# KiCad board [DFR1142]Lite Carrier for LattePanda Mu.kicad_pcb (continued)
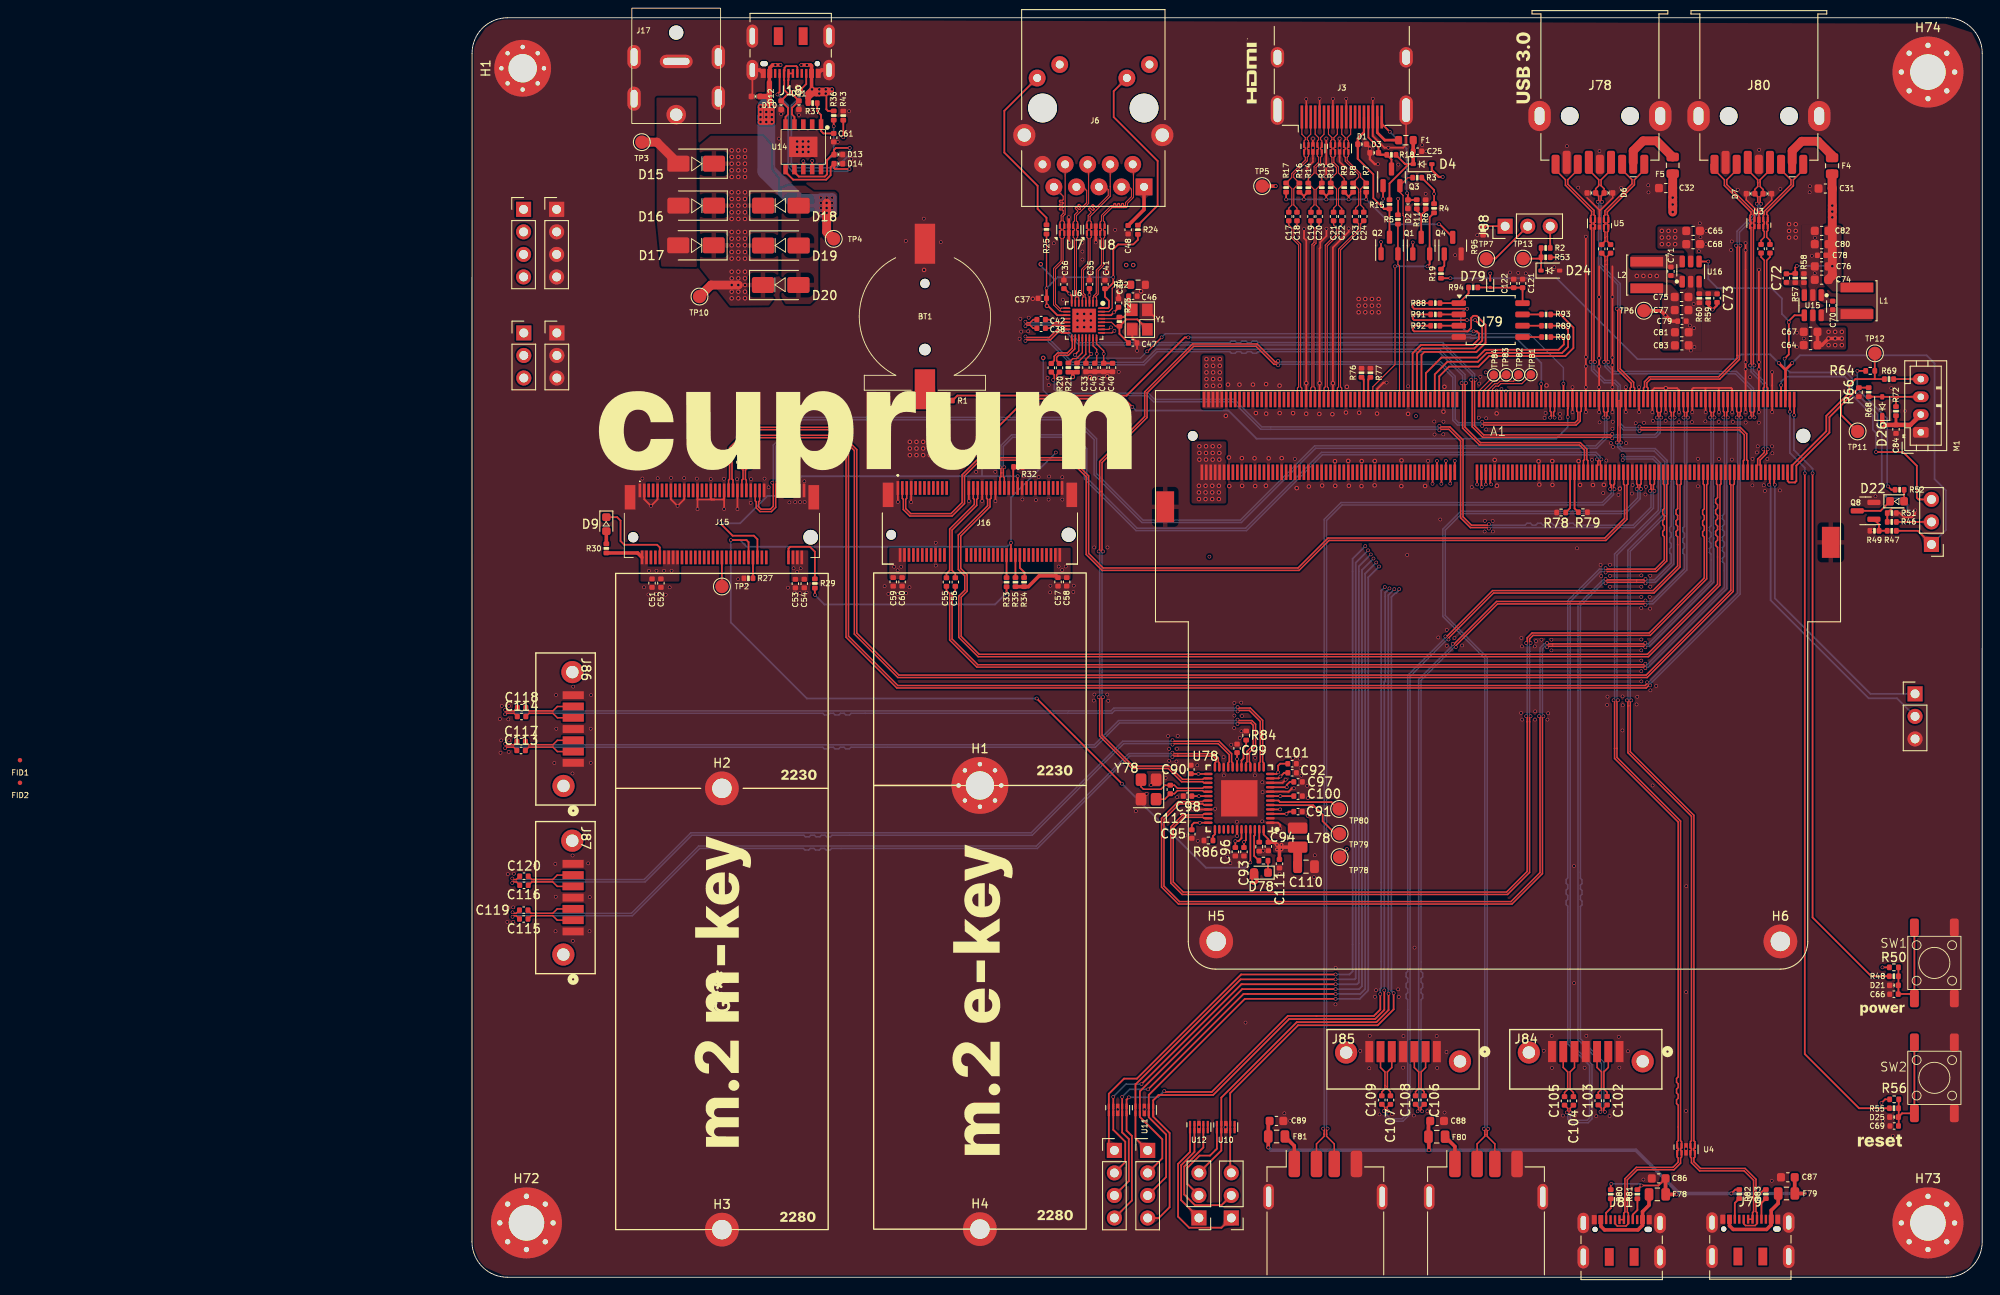
[diagram p0: board, top side]
## Routing (per net, layer and track width the routed paths; a pad name or vN(x,y) marks a point on that pad's centre or on a via; arc(x,y) is an arc through that point) (continued)
/LattePanda Module/HSIO_11_RX-: length 87.3
  Top w0.17: C104.1 123.75,19.03 123.75,18.69 v1(123.87,18.58) ; A1.60 134.25,89.41 134.36,89.3 134.36,86.63 134.18,86.45 134.18,86.03 134.36,85.85 134.36,85.43 134.18,85.25 134.18,84.83 134.36,84.65 134.36,84.23 134.18,84.05 134.18,83.63 134.36,83.45 134.36,80.84 133.33,79.81 127.85,79.81 v1(127.74,79.93)
  Bottom w0.17: v1(127.74,79.93) 127.62,79.81 127.04,79.81 123.48,76.25 123.48,45 123.3,44.82 123.3,44.4 123.48,44.22 123.48,43.8 123.3,43.62 123.3,43.2 123.48,43.02 123.48,42.6 123.3,42.42 123.3,42 123.48,41.82 123.48,26.32 125.94,23.86 125.94,17.97 125.66,17.69 124.02,17.69 123.75,17.96 123.75,18.46 v1(123.87,18.58) 123.75,18.69
/LattePanda Module/HSIO_11_TX+: length 91.1
  Top w0.17: v1(135.52,96.89) 135.41,97.01 135.41,97.46 135.52,97.58 135.52,98.89 ; v1(127.67,18.64) 127.55,18.75 127.55,19.06 C102.1 ; v1(132.24,78.2) 132.12,78.32 127.85,78.32 v1(127.74,78.2)
  Bottom w0.17: v1(127.67,18.64) 127.55,18.75 127.55,24.23 124.9,26.88 124.9,41.78 125.08,41.96 125.08,42.38 124.9,42.56 124.9,42.98 125.08,43.16 125.08,43.58 124.9,43.76 124.9,44.18 125.08,44.36 125.08,44.78 124.9,44.96 124.9,75.67 127.55,78.32 127.62,78.32 v1(127.74,78.2) ; 135.41,97.01 v1(135.52,96.89) 135.41,96.78 135.41,80.37 133.35,78.32 132.35,78.32 v1(132.24,78.2)
/LattePanda Module/HSIO_11_TX-: length 91.1
  Top w0.17: 135.02,98.89 135.02,97.58 135.13,97.46 135.13,97.01 v1(135.02,96.89) ; v1(132.24,78.71) 132.12,78.59 127.85,78.59 v1(127.74,78.71) ; C103.1 127.28,19.06 127.28,18.75 v1(127.16,18.64)
  Bottom w0.17: v1(132.24,78.71) 132.35,78.59 133.24,78.59 135.13,80.49 135.13,81.48 134.95,81.66 134.95,82.08 135.13,82.26 135.13,82.68 134.95,82.86 134.95,83.28 135.13,83.46 135.13,83.88 134.95,84.06 134.95,84.48 135.13,84.66 135.13,96.78 v1(135.02,96.89) 135.13,97.01 ; v1(127.74,78.71) 127.62,78.59 127.44,78.59 124.63,75.78 124.63,26.77 127.28,24.12 127.28,18.75 v1(127.16,18.64)
/LattePanda Module/REFCLK0+: length 122.1
  Top w0.17: v1(34.34,89.55) 34.23,89.44 34.23,86.77 33.75,86.29 32.46,86.29 32.03,86.72 32.03,87.4 31.91,87.51 J15.53 ; v1(128.01,96.9) 127.9,97.01 127.9,97.47 128.01,97.59 128.01,98.9
  Bottom w0.17: 127.9,97.01 v1(128.01,96.9) 127.9,96.79 127.9,94.59 126.73,93.43 95.07,93.43 86.7,85.06 75.5,85.06 70.11,90.45 70.11,94.39 67.87,96.63 37.19,96.63 34.23,93.66 34.23,89.66 v1(34.34,89.55)
/LattePanda Module/REFCLK0-: length 120.9
  Top w0.17: J15.55 32.41,87.51 32.3,87.4 32.3,86.83 32.57,86.56 33.63,86.56 33.95,86.88 33.95,89.44 v1(33.84,89.55) ; 127.51,98.9 127.51,97.59 127.63,97.47 127.63,97.01
  Bottom w0.17: v1(33.84,89.55) 33.95,89.66 33.95,93.77 37.08,96.9 67.98,96.9 70.38,94.5 70.38,90.56 75.61,85.33 86.59,85.33 94.95,93.7 126.62,93.7 127.63,94.71 127.63,96.79 v1(127.51,96.9)
/LattePanda Module/REFCLK2+: length 115.3
  Top w0.17: v1(71.12,65.38) 71,65.26 71,61.11 74.5,57.61 78.57,57.61 80.07,56.11 82.35,56.11 82.46,56.22 U78.26 ; v1(113.84,95.92) 113.95,96.04 124.42,96.04 124.88,96.5 124.88,97.5 125,97.61 A1.97 ; v1(71.12,81.8) 71,81.91 71,91.82 76.08,96.89 76.08,99.67 81.32,104.91 88.36,104.91 90.38,102.89 90.72,102.89 v1(90.84,102.77)
  Bottom w0.17: v1(90.84,102.77) 90.95,102.89 109.06,102.89 110.53,101.42 110.53,96.57 111.06,96.04 113.72,96.04 v1(113.84,95.92) ; v1(71.12,65.38) 71,65.49 71,81.69 v1(71.12,81.8)
/LattePanda Module/REFCLK2-: length 115.7
  Top w0.17: v1(70.61,81.8) 70.73,81.91 70.73,91.93 75.8,97.01 75.8,99.78 81.21,105.19 88.47,105.19 90.5,103.16 90.72,103.16 v1(90.84,103.28) ; v1(113.84,96.43) 113.95,96.31 124.31,96.31 124.61,96.61 124.61,97.5 124.5,97.61 A1.99 ; U78.27 82.46,55.72 82.35,55.84 79.96,55.84 78.46,57.34 74.38,57.34 70.73,60.99 70.73,65.26 v1(70.61,65.38)
  Bottom w0.17: v1(70.61,81.8) 70.73,81.69 70.73,65.49 v1(70.61,65.38) ; v1(113.84,96.43) 113.72,96.31 111.17,96.31 110.8,96.68 110.8,101.53 109.17,103.16 90.95,103.16 v1(90.84,103.28)
/LattePanda Module/REFCLK3+: length 84.9
  Top w0.17: v1(127.27,92.18) 127.15,92.06 127.15,91.54 127.26,91.43 127.26,90.7 ; J16.47 59.49,90.11 59.6,90.23 59.6,91.17 v1(59.49,91.29)
  Bottom w0.17: v1(127.27,92.18) 127.15,92.29 127.15,92.48 126.67,92.96 95.72,92.96 87.18,84.42 74.94,84.42 69.28,90.08 69.28,93.38 67.72,94.94 60.81,94.94 59.6,93.73 59.6,91.4 v1(59.49,91.29)
/LattePanda Module/REFCLK3-: length 84
  Top w0.17: 126.76,90.7 126.76,91.43 126.88,91.54 126.88,92.06 v1(126.76,92.18) ; v1(59.99,91.29) 59.88,91.17 59.88,90.23 59.99,90.11 J16.49
  Bottom w0.17: v1(59.99,91.29) 59.88,91.4 59.88,93.62 60.93,94.67 67.61,94.67 69.01,93.27 69.01,89.97 74.83,84.15 87.29,84.15 95.83,92.69 126.56,92.69 126.88,92.37 126.88,92.29 v1(126.76,92.18)
/LattePanda Module/SLS_S3: length 30
  Top w0.2: 147.51,98.9 v1(147.51,100.53) ; JP1.3 163,87.67 162.81,87.85 162.81,91.45 161.26,93 v1(158.21,93)
  Bottom w0.2: v1(147.51,100.53) 147.51,100.93 148.09,101.5 154.69,101.5 155.06,101.12 155.06,99.9 157.86,97.1 157.86,95.53 158.21,95.18 v1(158.21,93)
/LattePanda Module/SUSCLK_WIFI: length 95.7
  Top w0.2: R33.2 v1(60.24,77.12) ; v1(116.5,99.85) 116.5,99.85 A1.131 ; R29.2 v1(38.64,76.9)
  In1.GND w0.2: v1(60.24,77.12) 61.44,75.93 77.81,75.93 v1(83.1,81.21) ; v1(114.24,101.98) 108.81,101.98 106.39,99.55 106.39,97.07 v1(106.37,97.05)
  In2.PWR w0.2: v1(114.24,101.98) 115.18,101.98 116.5,100.66 116.5,99.85 v1(116.5,99.85) ; v1(106.37,97.05) 106.37,96.68 105.79,96.1 105.66,96.1 ; 105.66,96.1 105.76,96.1 ; 105.66,96.1 97.99,96.1 v1(83.1,81.21)
  Bottom w0.2: v1(60.24,77.12) 58.94,75.83 39.71,75.83 v1(38.64,76.9)
/LattePanda Module/USB_2_P4+: length 100.4
  Top w0.17: J82.3 115.26,15.03 114.4,15.89 114.4,16.61 v1(114.52,16.72) ; A1.70 131.75,89.41 131.63,89.3 131.63,88.96 v1(131.75,88.84)
  Bottom w0.17: v1(131.75,88.84) 131.63,88.73 131.63,87.72 129.97,86.06 111.54,86.06 109.68,84.2 109.68,74.58 114.4,69.86 114.4,16.84 v1(114.52,16.72)
/LattePanda Module/USB_2_P4-: length 100.4
  Top w0.17: J82.2 113.26,15.03 114.13,15.89 114.13,16.61 v1(114.01,16.72) ; v1(131.24,88.84) 131.36,88.96 131.36,89.3 131.25,89.41 A1.72
  Bottom w0.17: v1(114.01,16.72) 114.13,16.84 114.13,69.74 109.4,74.47 109.4,84.31 111.43,86.34 129.86,86.34 131.36,87.84 131.36,88.73 v1(131.24,88.84)
/LattePanda Module/USB_2_P7+: length 106.8
  Top w0.17: J16.3 48.49,87.79 48.6,87.67 48.6,86.52 49.33,85.79 54.1,85.79 55.5,87.19 55.5,90.32 57.27,92.09 67.33,92.09 69.21,90.21 69.21,81.46 71.01,79.66 93.2,79.66 96.57,83.04 127.77,83.04 130.15,85.42 130.15,89.27 130.26,89.39 130.26,90.7
/LattePanda Module/USB_2_P7-: length 105.9
  Top w0.17: J16.5 48.99,87.79 48.88,87.67 48.88,86.63 49.45,86.06 53.98,86.06 55.23,87.31 55.23,90.43 57.16,92.36 67.45,92.36 69.49,90.32 69.49,81.57 71.12,79.94 93.08,79.94 96.46,83.31 127.66,83.31 129.88,85.53 129.88,89.27 129.76,89.39 129.76,90.7
/LattePanda Module/USB_2_P8+: length 109.2
  Top w0.17: v1(96.42,16.75) 96.3,16.64 96.3,15.89 97.16,15.03 J83.3 ; v1(128.75,88.82) 128.63,88.93 128.63,89.3 128.75,89.41 A1.82
  Bottom w0.17: v1(96.42,16.75) 96.3,16.86 96.3,85.29 98.05,87.04 127.47,87.04 128.63,88.2 128.63,88.7 v1(128.75,88.82)
/LattePanda Module/USB_2_P8-: length 109.2
  Top w0.17: v1(128.24,88.82) 128.36,88.93 128.36,89.3 128.25,89.41 A1.84 ; v1(95.91,16.75) 96.03,16.64 96.03,15.89 95.16,15.03 J83.2
  Bottom w0.17: v1(128.24,88.82) 128.36,88.7 128.36,88.31 127.36,87.31 97.93,87.31 96.03,85.41 96.03,16.86 v1(95.91,16.75)
/LattePanda Module/~{PWR_SW}: length 70.7
  Top w0.2: A1.1 149,97.16 v1(148.99,97.15) ; R48.2 157.69,33.93 151.06,40.55 v1(151.06,90.6)
  Bottom w0.2: v1(148.99,97.15) 148.97,97.13 148.97,93.22 151.06,91.12 v1(151.06,90.6)
/LattePanda Module/~{RST_SW}: length 86.5
  Top w0.2: A1.3 148.51,98.9 v1(148.51,97.55) ; v1(150.19,90.6) 150.19,25.16 156.29,19.05 R55.2
  Bottom w0.2: v1(150.19,90.6) 150.19,91.23 148.51,92.9 v1(148.51,97.55)
/M.2 E&M Key/CON_PCIE_TX_0+: length 11.5
  Top w0.17: C55.2 53.46,79.3 53.83,79.66 53.83,84.32 56.6,87.1 56.6,87.66 56.49,87.78 J16.35
/M.2 E&M Key/CON_PCIE_TX_0-: length 11.5
  Top w0.17: J16.37 56.99,87.78 56.88,87.66 56.88,86.99 54.1,84.21 54.1,79.66 54.46,79.3 C56.2
/M.2 E&M Key/CON_PCIE_TX_1+: length 2.9
  Top w0.17: J15.49 30.91,89.84 30.81,89.94 30.81,90.99 31.16,91.34 C49.2
/M.2 E&M Key/CON_PCIE_TX_1-: length 2.9
  Top w0.17: C50.2 30.19,91.34 30.54,90.99 30.54,89.96 30.41,89.84 J15.47
/M.2 E&M Key/~{CLKREQE}: length 2.4
  Top w0.2: J16.53 60.99,91.3
/M.2 E&M Key/~{CLKREQM}: length 2.3
  Top w0.2: J15.52 R27.1
/PCIe x4/SATA/SATA_CRX_2+: length 5.3
  Top w0.17: J85.6 102.38,23.63 102.88,23.14 102.88,21.61 102.87,21.6 102.87,21.23 102.52,20.89 102.52,20.45
/PCIe x4/SATA/SATA_CRX_2-: length 5.3
  Top w0.17: J85.5 103.65,23.63 103.15,23.14 103.15,21.5 103.15,21.5 103.15,21.24 103.49,20.9 103.49,20.46 C107.1
/PCIe x4/SATA/SATA_CRX_3+: length 5.4
  Top w0.17: J84.6 122.97,23.64 123.47,23.14 123.47,21.17 123.11,20.82 C105.2
/PCIe x4/SATA/SATA_CRX_3-: length 5.4
  Top w0.17: C104.2 124.11,20.82 123.74,21.19 123.74,23.14 124.24,23.64 J84.5
/PCIe x4/SATA/SATA_CTX_2+: length 5.3
  Top w0.17: 107.3,20.45 107.3,20.92 106.96,21.25 106.96,23.14 107.46,23.63 J85.2
/PCIe x4/SATA/SATA_CTX_2-: length 5.3
  Top w0.17: J85.3 106.19,23.63 106.69,23.14 106.69,21.28 106.32,20.92 106.32,20.45
/PCIe x4/SATA/SATA_CTX_3+: length 5.4
  Top w0.17: C102.2 127.91,20.85 127.55,21.21 127.55,23.14 128.05,23.64 J84.2
/PCIe x4/SATA/SATA_CTX_3-: length 5.4
  Top w0.17: 126.78,25.43 126.78,23.64 127.28,23.14 127.28,21.21 126.91,20.85 C103.2
/PCIe x4/SATA/SATA_RX_1+: length 5.7
  Top w0.17: C114.2 6.42,63.55 9.12,63.55 9.62,63.06 J86.5
/PCIe x4/SATA/SATA_RX_1-: length 5.7
  Top w0.17: C118.2 6.44,63.83 9.13,63.83 9.62,64.33 J86.6
/PCIe x4/SATA/SATA_RX_4+: length 5.4
  Top w0.17: J87.6 9.61,45.33 9.11,44.83 6.99,44.83 6.98,44.82 6.75,44.82 6.37,45.2 C120.2
/PCIe x4/SATA/SATA_RX_4-: length 5.4
  Top w0.17: C116.2 6.37,44.18 6.75,44.55 7.09,44.55 7.09,44.55 9.11,44.55 9.61,44.06 J87.5
/PCIe x4/SATA/SATA_TX_1+: length 5.8
  Top w0.17: C113.2 6.39,59.74 9.12,59.74 9.62,59.25 J86.2
/PCIe x4/SATA/SATA_TX_1-: length 5.7
  Top w0.17: 6.02,60.37 6.37,60.02 9.12,60.02 9.62,60.52 J86.3
/PCIe x4/SATA/SATA_TX_4+: length 5.4
  Top w0.17: J87.2 9.61,40.25 9.11,40.74 6.68,40.74 C115.2
/PCIe x4/SATA/SATA_TX_4-: length 5.4
  Top w0.17: J87.3 9.61,41.52 9.11,41.02 6.67,41.02 C119.2
/PSU/CC1: length 28.4
  Top w0.2: v1(42.56,127.28) 41.01,127.28 40.8,127.07 D13.1 40.61,126.53 40.01,125.93 40.01,124.3 39.76,124.05 36.83,124.05 36.33,124.54 U14.7 ; v1(37.18,133.25) 37.18,133.99 37.66,134.48 37.66,135.62 37.64,135.65
  Bottom w0.2: v1(37.18,133.25) 37.05,133.12 ; v1(42.56,127.28) 42.56,126.55 41.04,125.03 36.18,125.03 35.99,125.22 35.99,132.07 36.96,133.05
/PSU/CC2: length 28
  Top w0.2: v1(42.54,124.9) 40.91,124.9 40.8,125.01 D14.1 40.41,125.11 40.41,124.2 39.91,123.7 36.19,123.7 35.33,124.55 U14.6 35.34,124.85 ; v1(34.41,133.3) 34.41,133.32 34.66,133.57 J18.B5
  Bottom w0.2: v1(42.54,124.9) 42.31,124.68 36.04,124.68 35.64,125.08 35.64,132.08 v1(34.41,133.3)
/PSU/PWR_C_D+: length 7.5
  Top w0.2: 36.33,130.24 U14.4 36.33,130.77 36.06,131.05 36.06,131.6 36.06,131.61 36.06,131.8 D11.2 36.84,132.6 36.06,133.38 36.06,133.57 35.64,133.99 35.64,134.9 35.66,134.92 J18.B6 J18.A6 ; 35.72,135.87 35.66,135.82
/PSU/PWR_C_D-: length 9.9
  Top w0.2: J18.B7 36.66,136.38 36.54,136.5 35.41,136.5 35.22,136.3 35.22,135.97 35.16,135.92 J18.A7 35.16,134.92 35.19,134.9 35.19,133.81 35.61,133.38 35.61,133.38 34.84,132.6 D10.2 35.61,131.8 35.61,131.78 35.61,131.77 35.61,131.05 35.33,130.77 U14.5 35.33,130.24
/PSU/PWR_EN: length 53.2
  Top w0.2: v1(161.76,86.15) 161.22,86.7 160.06,86.7 R51.2 159.48,86.12 159.48,85.12 ; v1(147.91,103.53) 148.39,104 148.39,107.78 149.03,108.41 U15.4 ; U16.4 v1(139.31,114.48)
  Bottom w0.2: v1(147.91,103.53) 147.91,102.58 148.51,101.98 154.86,101.98 155.54,101.3 155.54,100.1 158.39,97.25 158.39,95.78 158.86,95.3 158.86,88.45 159.51,87.8 161.09,87.8 161.76,87.12 v1(161.76,86.15) ; v1(139.31,114.48) 139.31,112.5 140.34,111.48 146.45,111.48 147.61,110.31 147.61,108.55 148.35,107.81 148.35,107.66 v1(148.39,107.62)
/USB2.0&USB3.0/CON_USB1_D_N: length 115.2
  Top w0.17: J81.B7 128.8,6.03 129.06,5.78 130.04,5.78 130.3,6.04 J81.A7 130.3,7.24 130.19,7.35 130.19,10.98 131.32,12.11 135.45,12.11 136.19,12.86 136.19,13.44 136.3,13.56 U4.2 136.3,14.22 136.19,14.33 136.19,14.5 136.3,14.62 U4.9 136.3,15.27 136.19,15.39 136.19,51.42 129.03,58.58 129.03,64.91 v1(129.14,65.03) ; v1(122,96.88) 121.88,96.99 121.88,97.5 122,97.61 A1.109
  In1.GND w0.17: v1(122,96.88) 121.88,96.76 121.88,96.55 122.62,95.81 125.2,95.81 125.72,95.29 125.97,95.29 126.27,94.99 126.27,94.74 126.57,94.44 126.82,94.44 127.12,94.15 127.12,93.89 127.41,93.59 127.67,93.59 127.97,93.3 127.97,93.04 128.51,92.5 128.56,92.5 128.57,92.49 129.01,92.49 129.01,92.49 129.55,92.49 v1(129.66,92.6)
  Bottom w0.17: v1(129.66,92.6) 129.78,92.49 133.2,92.49 133.95,91.73 133.95,86.32 129.03,81.39 129.03,65.14 v1(129.14,65.03)
/USB2.0&USB3.0/CON_USB1_D_P: length 113.1
  Top w0.17: J81.A6 J81.B6 129.8,7.24 129.92,7.35 129.92,11.1 131.21,12.39 135.34,12.39 135.92,12.97 135.92,13.44 135.8,13.56 U4.1 135.8,14.22 135.92,14.33 135.92,14.5 135.8,14.62 U4.10 135.8,15.27 135.92,15.39 135.92,19.4 135.74,19.58 135.74,20 135.92,20.18 135.92,20.6 135.74,20.78 135.74,21.2 135.92,21.38 135.92,21.8 135.74,21.98 135.74,22.4 135.92,22.58 135.92,51.3 128.75,58.47 128.75,64.91 v1(128.64,65.03) ; A1.111 121.5,97.61 121.61,97.5 121.61,96.99 v1(121.49,96.88)
  In1.GND w0.17: v1(129.66,92.1) 129.55,92.21 129.12,92.21 128.41,92.21 125.08,95.54 122.51,95.54 121.61,96.44 121.61,96.76 v1(121.49,96.88)
  Bottom w0.17: v1(128.64,65.03) 128.75,65.14 128.75,81.51 133.68,86.43 133.68,91.62 133.08,92.21 129.78,92.21 v1(129.66,92.1)
/USB2.0&USB3.0/CON_USB2_D_N: length 110.4
  Top w0.17: v1(129.5,94.08) 129.38,94.19 129.38,98.81 A1.79 ; v1(130.64,65.01) 130.53,64.9 130.53,59.23 137.69,52.07 137.69,15.39 137.8,15.27 U4.6 137.8,14.62 137.69,14.5 137.69,14.33 137.8,14.22 U4.5 137.8,13.56 137.69,13.44 137.69,13.02 138.45,12.26 143.47,12.26 144.69,11.04 144.69,7.4 144.8,7.29 144.8,6.54 144.82,6.53 144.82,6.06 144.59,5.83 143.51,5.83 143.3,6.03 143.3,6.54
  Bottom w0.17: v1(130.64,65.01) 130.53,65.13 130.53,81.82 134.68,85.97 134.68,92.06 133.35,93.39 129.67,93.39 129.38,93.68 129.38,93.96 v1(129.5,94.08)
/USB2.0&USB3.0/CON_USB2_D_P: length 108.2
  Top w0.17: v1(128.99,94.08) 129.11,94.19 129.11,98.81 A1.81 ; 143.8,6.54 144.3,6.54 144.3,7.29 144.42,7.4 144.42,10.93 143.36,11.99 138.33,11.99 137.42,12.9 137.42,13.44 137.3,13.56 U4.4 137.3,14.22 137.42,14.33 137.42,14.5 137.3,14.62 U4.7 137.3,15.27 137.42,15.39 137.42,51.95 130.25,59.12 130.25,64.9 v1(130.14,65.01)
  Bottom w0.17: v1(130.14,65.01) 130.25,65.13 130.25,81.93 134.4,86.08 134.4,91.94 133.23,93.11 129.56,93.11 129.11,93.56 129.11,93.96 v1(128.99,94.08)
/USB2.0&USB3.0/CON_USB3_D_N: length 37.6
  Top w0.17: 132.51,98.9 132.51,100.21 132.4,100.33 132.4,100.82 132.8,101.21 140.6,101.21 142.83,103.44 142.83,103.9 142.83,116.14 v1(142.94,116.26) ; J80.2 146.26,124.8 145.15,123.68 145.15,123.45 145.16,123.44 145.16,122.93 145.49,122.6 145.49,122.12 145.16,121.79 145.16,121.1 v1(145.28,120.99)
  Bottom w0.17: v1(145.28,120.99) 145.16,120.87 145.16,120.1 142.83,117.77 142.83,116.37 v1(142.94,116.26)
/USB2.0&USB3.0/CON_USB3_D_P: length 37.6
  Top w0.17: 132.01,98.9 132.01,100.21 132.13,100.33 132.13,100.93 132.68,101.49 140.48,101.49 142.55,103.56 142.55,103.9 142.55,116.14 v1(142.44,116.26) ; v1(144.77,120.99) 144.89,121.1 144.89,121.79 D7.2 144.56,122.6 144.89,122.93 144.89,123.34 144.88,123.35 144.88,123.68 143.76,124.8 J80.3
  Bottom w0.17: v1(144.77,120.99) 144.89,120.87 144.89,120.22 142.55,117.88 142.55,116.37 v1(142.44,116.26)
/USB2.0&USB3.0/CON_USB3_SSRX_N: length 38.4
  Top w0.12: 144.76,90.7 144.76,91.43 ; 139.6,124.82 139.6,125.45
  Top w0.17: J80.5 140.01,124.8 141.13,123.68 141.13,123.04 144.13,120.04 144.13,119.79 144.01,119.67 U3.5 144.01,119.02 144.13,118.9 144.13,118.73 144.01,118.62 U3.6 144.13,118.32 144.13,102.88 v1(144.01,102.76) ; 144.76,91.43 144.88,91.54 144.88,92.21 145.63,92.96 145.63,93.2 v1(145.51,93.32)
  Bottom w0.17: v1(145.51,93.32) 145.63,93.43 145.63,100.54 144.13,102.04 144.13,102.65 v1(144.01,102.76)
/USB2.0&USB3.0/CON_USB3_SSRX_P: length 37.8
  Top w0.12: 145.26,90.7 145.26,91.43 ; 142.51,124.8 J80.6
  Top w0.17: 142.51,124.8 141.4,123.68 141.4,123.16 144.4,120.16 144.4,119.79 144.51,119.67 U3.4 144.51,119.02 144.4,118.9 144.4,118.73 144.51,118.62 U3.7 144.4,118.32 144.4,102.88 v1(144.52,102.76) ; v1(146.02,93.32) 145.9,93.2 145.9,92.84 145.15,92.09 145.15,91.54 145.26,91.43
  Bottom w0.17: v1(146.02,93.32) 145.9,93.43 145.9,100.66 144.4,102.16 144.4,102.65 v1(144.52,102.76)
/USB2.0&USB3.0/CON_USB3_SSTX_N: length 11.1
  Top w0.17: C26.2 145.26,116.86 145.63,117.22 145.63,117.85 145.51,117.96 U3.9 145.51,118.62 145.63,118.73 145.63,118.9 145.51,119.02 U3.2 145.51,119.67 145.63,119.79 145.63,120.13 148.63,123.13 148.63,123.68 147.51,124.8 J80.8
/USB2.0&USB3.0/CON_USB3_SSTX_P: length 11.1
  Top w0.17: J80.9 150.01,124.8 148.9,123.68 148.9,123.02 145.9,120.02 145.9,119.79 146.01,119.67 U3.1 146.01,119.02 145.9,118.9 145.9,118.73 146.01,118.62 U3.10 146.01,117.96 145.9,117.85 145.9,117.22 146.26,116.86 C27.2
/USB2.0&USB3.0/CON_USB4_D_N: length 29.5
  Top w0.17: 131.01,98.9 131.01,100.21 130.9,100.33 130.9,100.86 129.38,102.38 129.38,109.04 v1(129.5,109.15) ; v1(127.35,121.2) 127.24,121.32 127.24,121.86 D6.2 127.58,122.68 127.24,123.02 127.24,123.04 127.24,123.05 127.24,123.69 128.35,124.81 J78.2
  Bottom w0.12: v1(127.35,121.2) 127.21,121.06 127.21,121.05
  Bottom w0.17: v1(127.35,121.2) 127.24,121.09 127.24,114.13 129.38,111.99 129.38,109.26 v1(129.5,109.15)
/USB2.0&USB3.0/CON_USB4_D_P: length 29.5
  Top w0.17: J78.3 125.85,124.81 126.97,123.69 126.97,123.15 126.96,123.15 126.96,123.02 126.62,122.68 D5.2 126.96,121.86 126.96,121.32 v1(126.85,121.2) ; v1(129,109.15) 129.11,109.04 129.11,102.27 130.63,100.75 130.63,100.33 130.51,100.21 130.51,98.9
  Bottom w0.12: 126.99,121.06 v1(126.85,121.2)
  Bottom w0.17: v1(129,109.15) 129.11,109.26 129.11,111.87 126.96,114.02 126.96,121.09 v1(126.85,121.2)
/USB2.0&USB3.0/CON_USB4_SSRX_N: length 53.9
  Top w0.12: 143.26,90.7 143.26,91.43
  Top w0.17: 143.26,91.43 143.26,90.7 143.26,92.01 143.38,92.13 143.38,94.93 142.82,95.49 131.68,95.49 v1(131.56,95.37) ; v1(126.05,103.15) 126.17,103.26 126.17,118.26 U5.6 126.05,118.56 126.17,118.68 126.17,118.85 126.05,118.96 U5.5 126.05,119.62 126.17,119.73 126.17,120.12 123.22,123.07 123.22,123.69 122.1,124.81 J78.5
  Bottom w0.17: 126.17,103.04 v1(126.05,103.15) 126.17,103.04 ; 126.17,103.04 126.17,102.2 127.57,100.8 128.73,100.8 129.13,100.4 129.13,96.12 129.76,95.49 131.45,95.49 v1(131.56,95.37)
/USB2.0&USB3.0/CON_USB4_SSRX_P: length 53.9
  Top w0.12: 143.76,90.7 143.76,91.43
  Top w0.17: v1(131.56,95.88) 131.68,95.76 142.94,95.76 143.65,95.05 143.65,92.13 143.76,92.01 143.76,90.7 143.76,91.43 ; J78.6 124.6,124.81 123.49,123.69 123.49,123.18 126.44,120.23 126.44,119.73 126.55,119.62 U5.4 126.55,118.96 126.44,118.85 126.44,118.68 126.55,118.56 U5.7 126.44,118.26 126.44,103.26 v1(126.55,103.15)
  Bottom w0.17: 126.44,103.04 v1(126.55,103.15) 126.44,103.04 ; 126.44,103.04 126.44,102.32 127.68,101.07 128.84,101.07 129.4,100.51 129.4,96.23 129.87,95.76 131.45,95.76 v1(131.56,95.88)